# Altium PCB PCB1_3big.PcbDoc
Units mil, origin at the board's own origin, x right, y up, seen from the top; angles counter-clockwise.
Board outline 5905.51 x 5905.51 mil, 4 copper layers (Top Layer, GND, PWR, Bottom Layer), stack 53.912 mil thick; 59 components, 44 nets, 189 pads, 55 vias.
Unrouted connection lines stored in the file: 23.
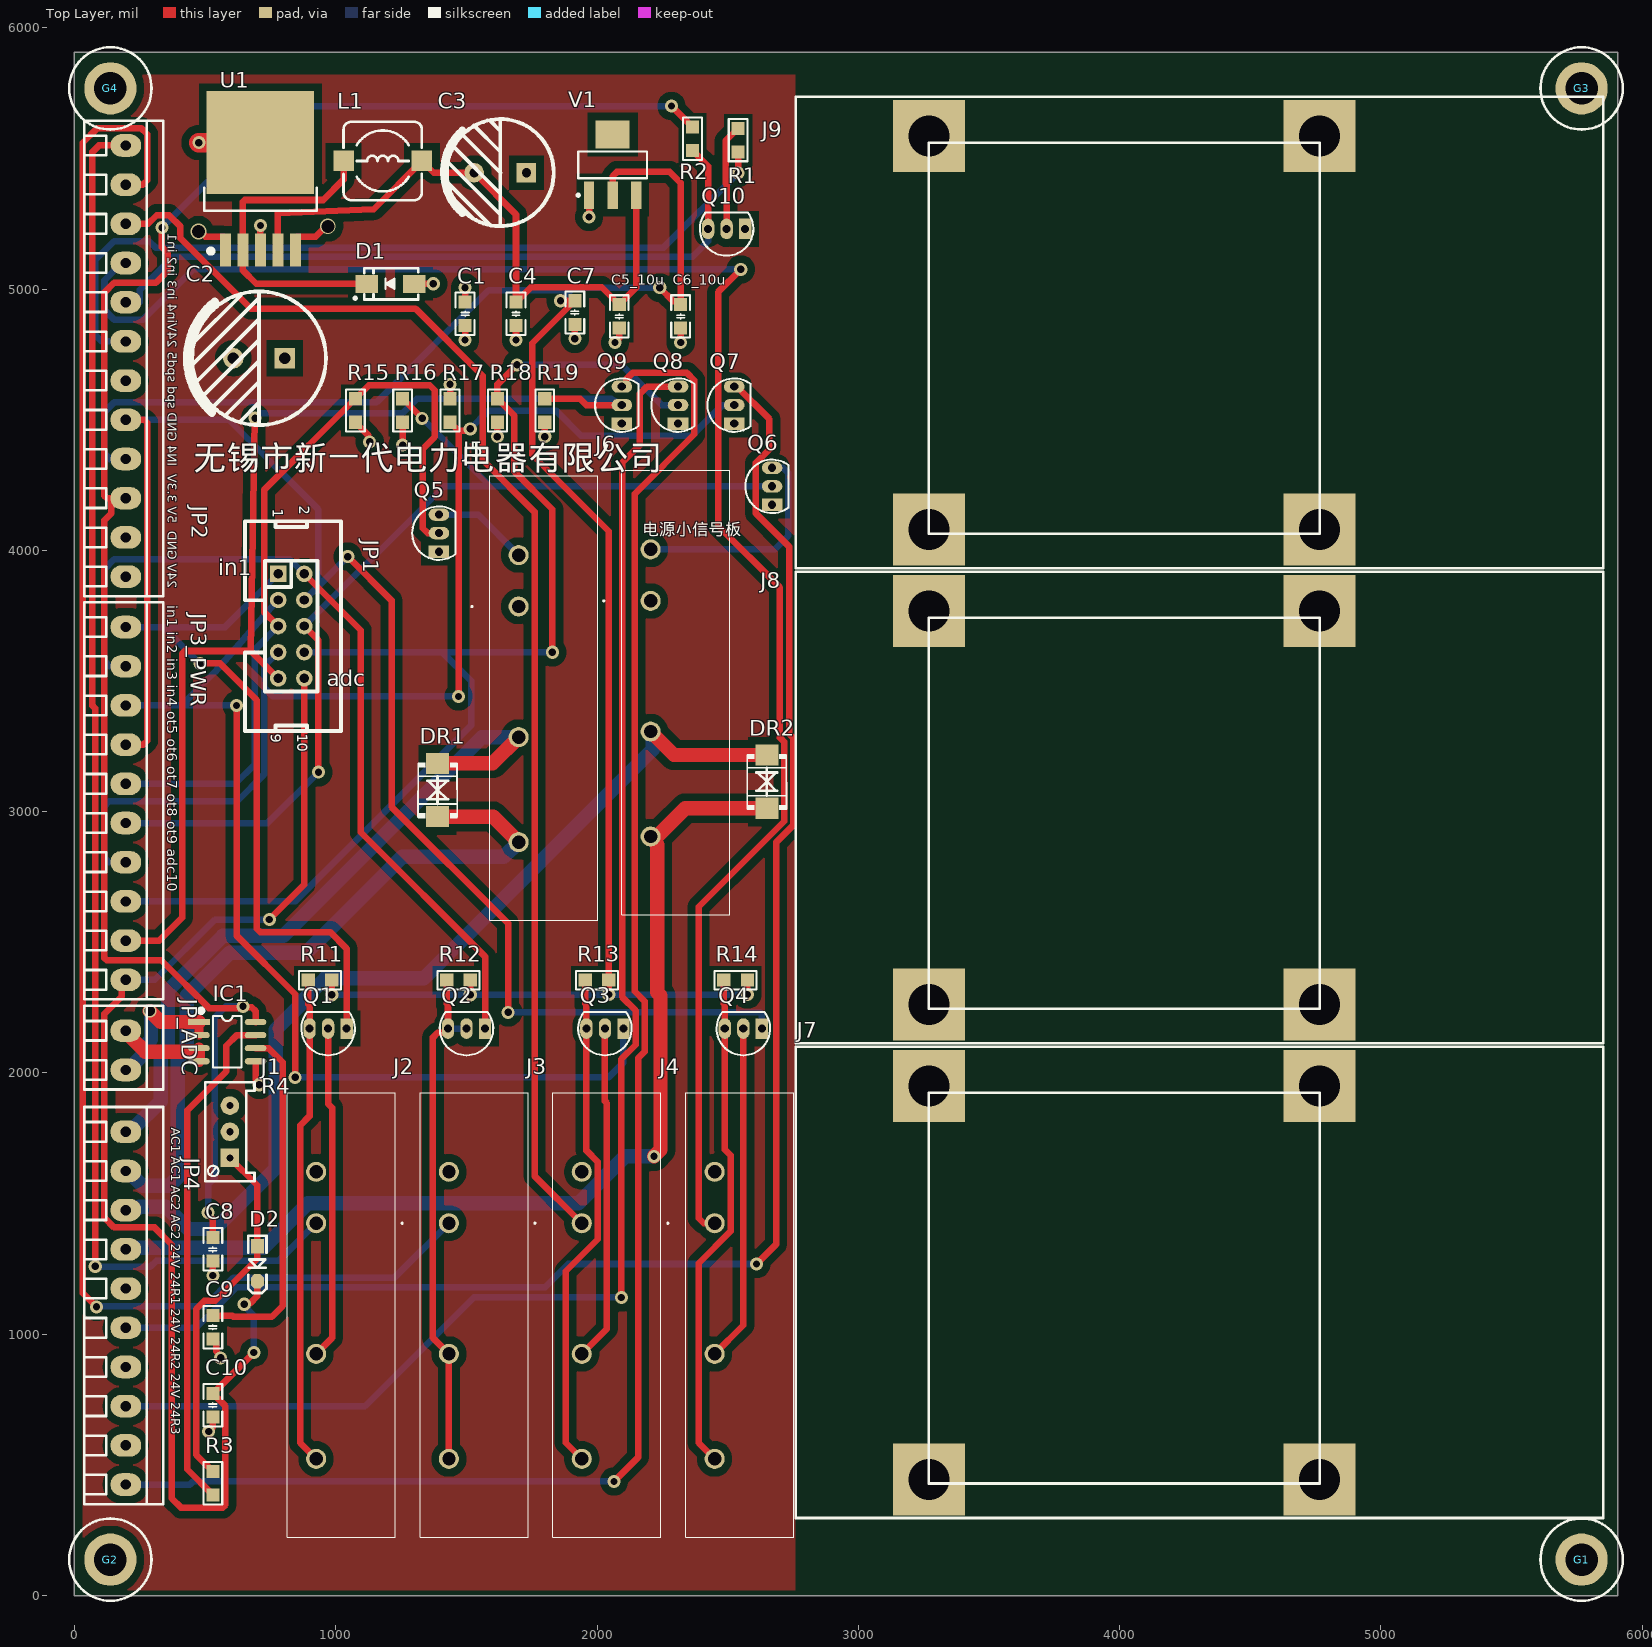
[diagram p0: Top Layer view]
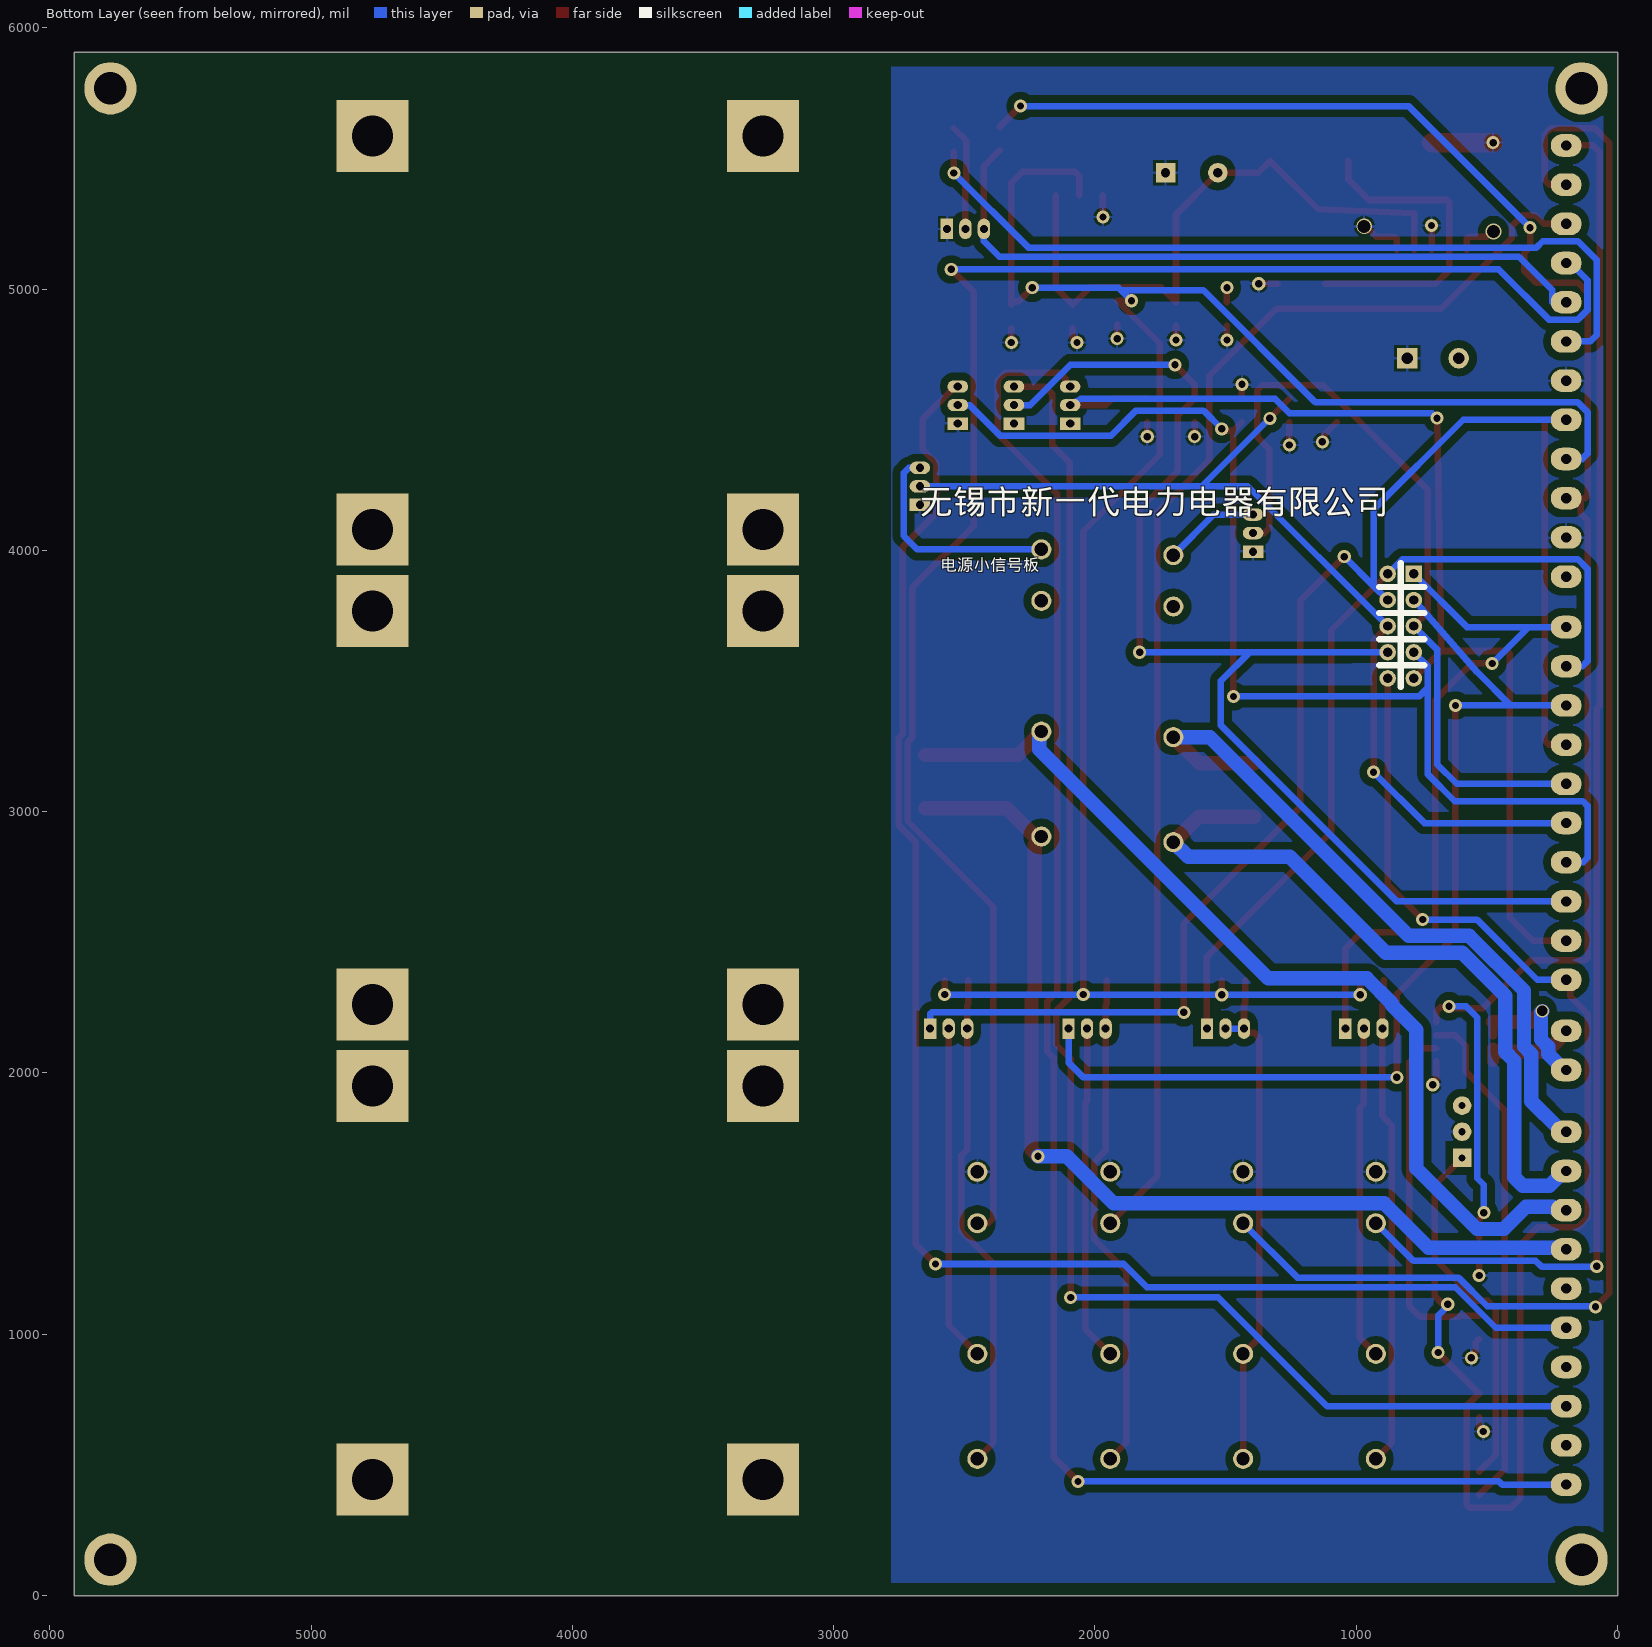
[diagram p1: Bottom Layer view, seen from below]
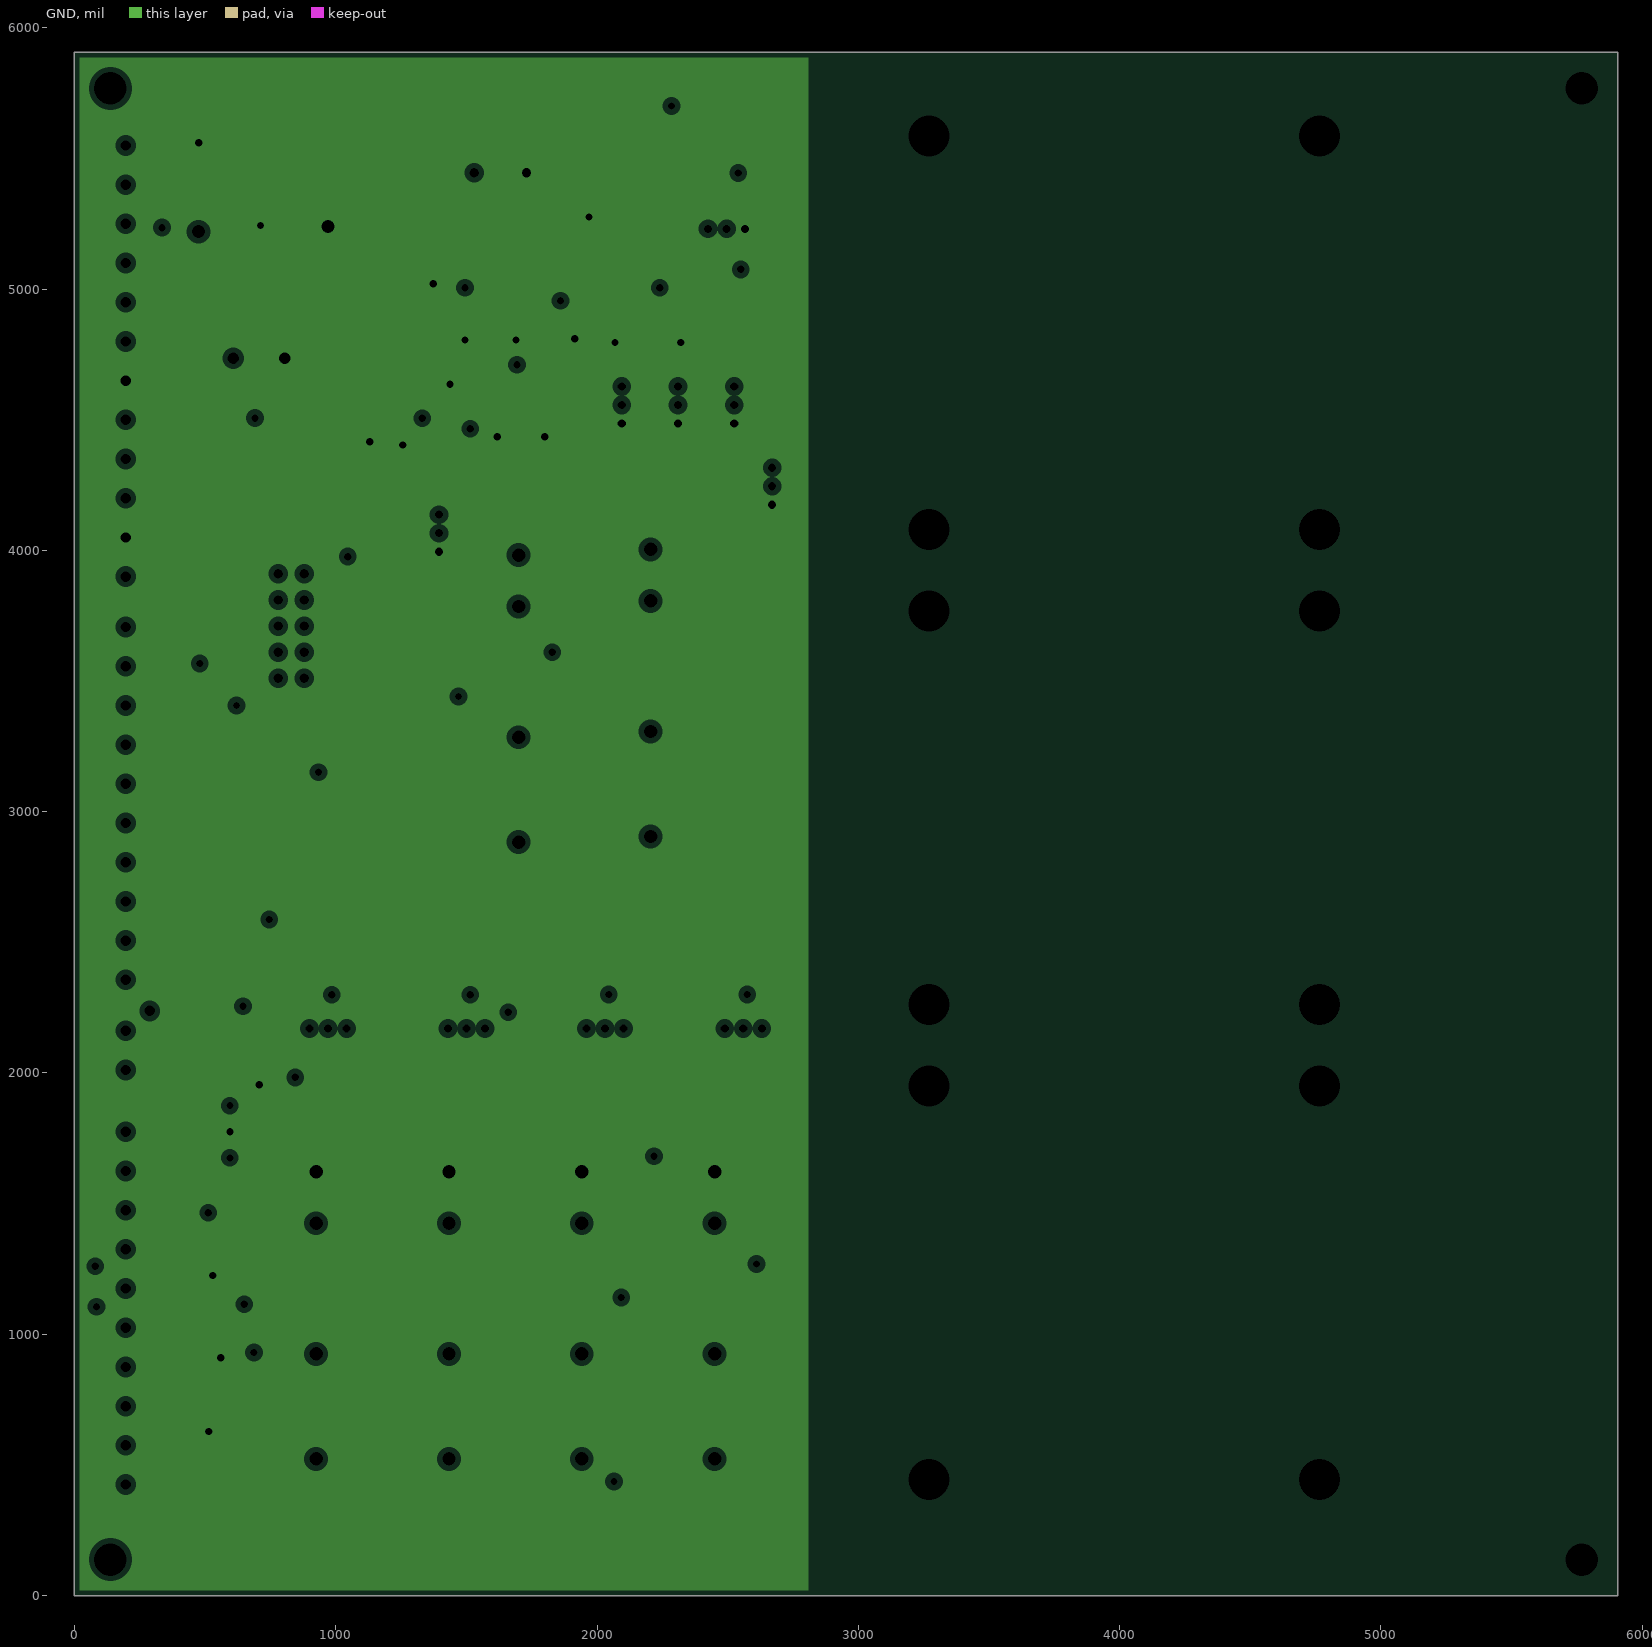
[diagram p2: GND, clearances drawn from the general rule]
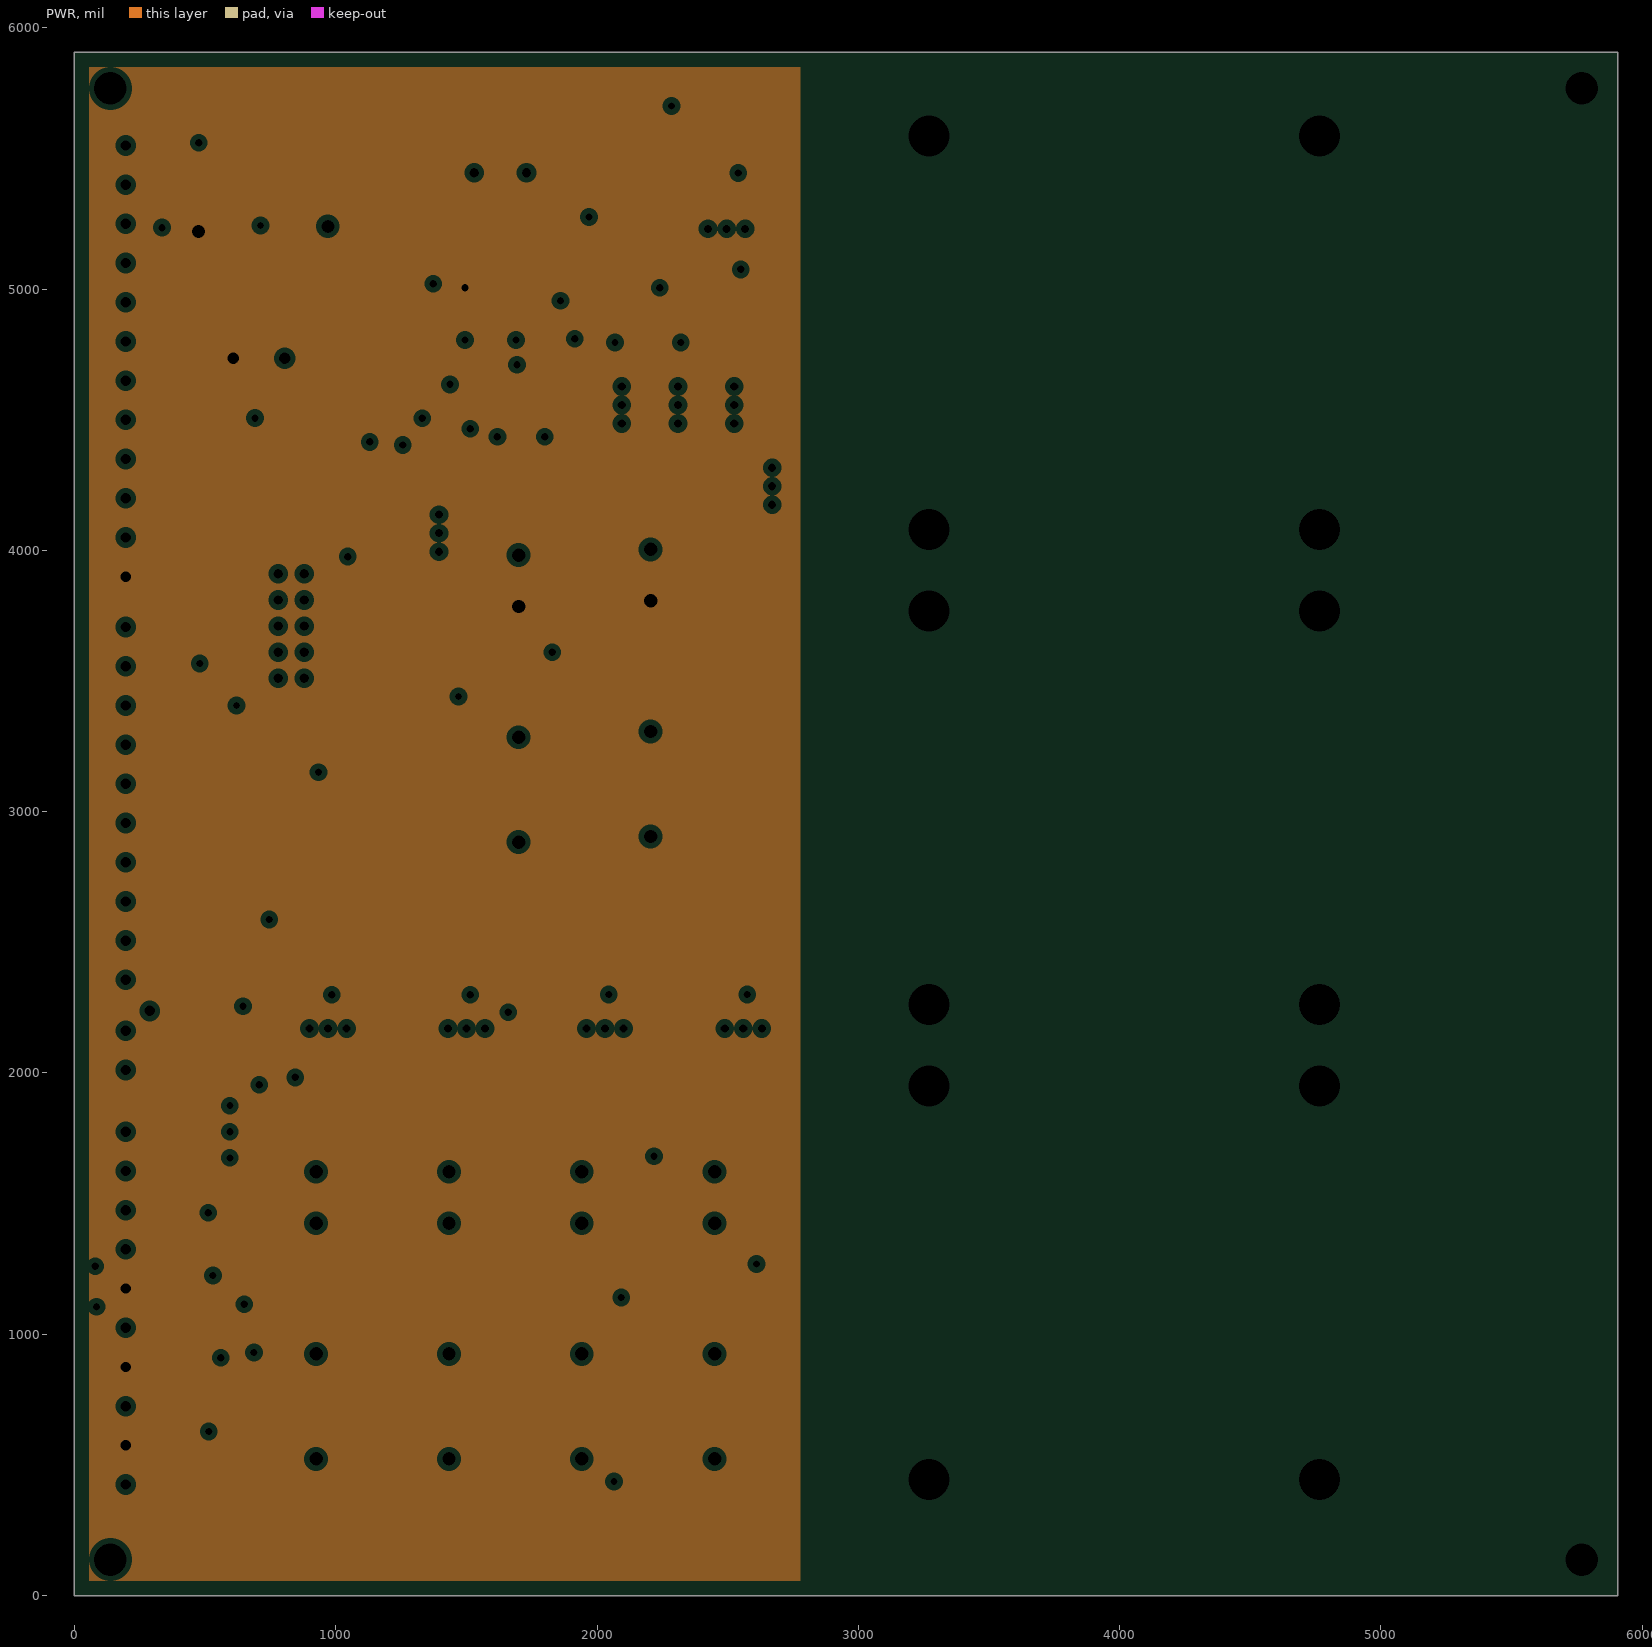
[diagram p3: PWR, clearances drawn from the general rule]

## Layer stack, top to bottom
Top Solder: solder mask 1, SM-001, Dk 4
Top Layer: signal copper 1.378
Dielectric 1: prepreg 5.1, PP-017, Dk 4.3
Dielectric 2: prepreg 5.1, PP-017, Dk 4.3
GND: plane copper 1.378, net GND
Dielectric 3: core 28, Core-039, Dk 4.8
PWR: plane copper 1.378, net 24V
Dielectric 4: prepreg 5.1, PP-017, Dk 4.3
Dielectric 5: prepreg 5.1, PP-017, Dk 4.3
Bottom Layer: signal copper 1.378
Bottom Solder: solder mask 1, SM-001, Dk 4

## Board outline
0,0 0,5905.51 5905.51,5905.51 5905.51,0

## Design rules (kind name [scope] priority, off if disabled: settings)
Clearance Clearance_Polygon [InPolygon] p1: gap=30 ignorepadtopadclearanceinfootprint=FALSE
Clearance [All] p2: gap=10 ignorepadtopadclearanceinfootprint=FALSE except(0: Arc-Hole Track-Hole SMDPad-Hole THPad-Hole Via-Hole Fill-Hole Poly-Hole Region-Hole Text-Hole)
Height [All] p1: minheight=0 maxheight=3149.61 prefheight=500
HoleSize [All] p1: absolutevalues=TRUE maxlimit=200 minlimit=1 maxpercent=80.000 minpercent=20.000
PlaneClearance [All] p1: clearance=20
PlaneConnect [All] p1: planeconnectstyle=Relief reliefexpansion=20 reliefentries=4 reliefconductorwidth=10 reliefairgap=10
PolygonConnect [All] p1: connectstyle=Relief reliefconductorwidth=10 reliefentries=4 polygonreliefangle="90 Angle" airgapwidth=10
RoutingVias [All] p1: holewidth=28 width=50 viastyle="Through Hole" minholewidth=28 minwidth=50 maxholewidth=28 maxwidth=50
SilkToSilkClearance [All] p1: silktosilkclearance=0
SilkToSolderMaskClearance [IsPad] p1: minsilkscreentomaskgap=0 clearancetoexposedcopper=TRUE
SolderMaskExpansion [All] p1: expansion=4 istentingtop=FALSE
Width [All] p1: maxlimit=999 minlimit=6 preferedwidth=25
24 further rules are at their usual default settings.

## Components (designator, comment, footprint, x,y, rotation, side; value= is the part's Value field where it differs from the comment)
C1 "0.1uF" "C 0805_M" 1495,4905 r90 top
C2 "680uf" "CAP 5.0*12.5*20" 706.58,4735 r180 top
C3 "220uF" "CAP 5.0*10*16" 1630,5445 r180 top
C4 "0.1uF" "C 0805_M" 1690,4905 r90 top
C5_10u "10uF" "C 0805_M" 2085,4895 r90 top (schematic designator C5)
C6_10u "10uF" "C 0805_M" 2320,4895 r90 top (schematic designator C6)
C7 "0.1uF" "C 0805_M" 1915,4910 r90 top
C8 "0.1uF" "C 0805_M" 530,1325 r90 top
C9 "1nF" "C 0805_M" 530,1026.67 r90 top
C10 "0.1uF" "C 0805_M" 530,728.33 r90 top
D1 "SS54" SMA 1209.45,5020 r180 top
D2 "Diode 1N4148" SOD-123 700,1270 r270 top
DR1 "1.5KE300CA" SMB_L4.6-W3.6-LS5.3-BI 1390,3082.98 r270 top
DR2 "1.5KE300CA" SMB_L4.6-W3.6-LS5.3-BI 2650,3115 r270 top
G1 "Socket" M3x6_L 5767.72,137.8 r0 top
G2 "Socket" M3x6_L 137.8,137.8 r0 top
G3 "Socket" M3x6_L 5767.72,5767.72 r0 top
G4 "Socket" M3x6_L 137.8,5767.72 r0 top
IC1 "ACS712" SOP8_M 585,2120 r0 top
J1 "ssr_dcdc" 2982647 925,1425 r90 top
J2 "ssr_dcdc" 2982647 1433.33,1425 r90 top
J3 "ssr_dcdc" 2982647 1941.67,1425 r90 top
J4 "ssr_dcdc" SSR_DCDC 2450,1425 r90 top
J5 "ssr_dcac" SSR_DCAC 1700,3785 r90 top
J6 "ssr_dcac" SSR_DCAC 2205,3806.58 r90 top
J7 "银触点JQX-60F60A大功率继电器大电流12V220V24V稳压器58F-40F63F" 24V_Big_Relay 2760,2100 r270 top
J8 "银触点JQX-60F60A大功率继电器大电流12V220V24V稳压器58F-40F63F" 24V_Big_Relay 2760,3917.5 r270 top
J9 "银触点JQX-60F60A大功率继电器大电流12V220V24V稳压器58F-40F63F" 24V_BIG_RELAY 2760,5735 r270 top
JP1 "Header 5X2" IDC2.54-LI-2x5P 780,3910 r270 top
JP2 "HDR-1X10" KF128-3.81-10P 196.85,3031.5 r270 top
JP3_PWR "HDR-1X12" KF128-3.81-12P 196.85,4724.41 r270 top
JP4 "HDR-1X10" KF128-3.81-10P 196.85,1100 r270 top
JP_ADC "HDR-1X2" KF128-3.81-2P 196.85,2086.61 r270 top
L1 "33uH" CDRH74 1180,5490 r0 top
Q1 "SS8050" TO92A 970.87,2170 r90 top
Q2 "SS8050" TO92A 1500.58,2170 r90 top
Q3 "SS8050" TO92A 2030.29,2170 r90 top
Q4 "SS8050" TO92A 2560,2170 r90 top
Q5 "SS8050" TO92A 1395,4065.87 r0 top
Q6 "SS8050" TO92A 2670,4245 r0 top
Q7 "SS8050" TO92A 2525,4555.87 r0 top
Q8 "SS8050" TO92A 2310,4555.87 r0 top
Q9 "SS8050" TO92A 2095,4555.87 r0 top
Q10 "SS8050" TO92A 2495.87,5230 r90 top
R1 "1K" "R 0805_M" 2540,5570 r90 top
R2 "2K" "R 0805_M" 2365,5575 r90 top
R3 "2K" "R 0805_M" 530,430 r90 top
R4 "3296W-10K" 3296W 595,1775 r90 top
R11 "10K" "R 0805_M" 940,2355 r180 top
R12 "10K" "R 0805_M" 1470,2355 r180 top
R13 "10K" "R 0805_M" 2000,2355 r180 top
R14 "10K" "R 0805_M" 2530,2355 r180 top
R15 "10K" "R 0805_M" 1075,4535 r270 top
R16 "10K" "R 0805_M" 1256.25,4535 r270 top
R17 "10K" "R 0805_M" 1437.5,4535 r90 top
R18 "10K" "R 0805_M" 1618.75,4535 r270 top
R19 "10K" "R 0805_M" 1800,4535 r270 top
U1 "LM2596S-5.0/NOPB" TO263-5A 711.93,5150 r0 top
V1 "AMS1117-3V3" SOT223_M 2060,5475 r90 top

## Footprints (in the part's own frame and the unit in brackets; to place one, negate y for a bottom-side part, rotate by r counter-clockwise, add the part's x,y. Pads: shape width x height; smd on the part's side, far side on the other; paste and mask are expansions set on the pad)
24V_Big_Relay [mm]
  rect 7x7 hole 4: 0(3.81,50.927) 0(3.81,12.954) 0(42.037,50.927) 0(42.037,12.954)
  silkscreen extent 0,0 45.8,78.5, body extent -0.13,-0.13 45.93,78.63, height 46
24V_BIG_RELAY [mm]
  rect 7x7 hole 4: 0(3.81,50.927) 0(3.81,12.954) 0(42.037,50.927) 0(42.037,12.954)
  silkscreen extent 0,0 45.8,78.5, body extent 7.48,1.27 38.35,76.71, height 46
3296W [mm] "Precise Multi-Winding Adjustable Resistor"
  rect 1.8x1.8 hole 0.7: 1(-2.54,0)
  round 1.8 hole 0.7: 2(0,0) 3(2.54,0)
  silkscreen extent -4.8,-2.4 4.8,2.4, body extent -4.75,-2.4 4.75,2.4, height 11.52
2982647 [mm]
  round 1.95 hole 1.3: 1(-22.9,0) 2(-12.7,0) 3(0,0) 4(5,0)
  silkscreen extent -30.5,-7.7 12.7,4.6, body extent -30.5,-7.7 12.7,2.8, height 25.5
"C 0805_M" [mil] "无极性贴片电容"
  rect 50x50 smd: 1(-45,0) 2(45,0)
  silkscreen extent -81,-36 81,36, body extent -39,-24 39,24, height 20
"CAP 5.0*10*16" [mm] "脚距5mm直径10mm高度16mm"
  rect 1.9x1.9 hole 0.9: 1(-2.54,0)
  round 1.9 hole 0.9: 2(2.54,0)
  silkscreen extent -5.19,-5.21 5.5,5.19, body extent -5,-5 5.01,5, height 16.04
"CAP 5.0*12.5*20" [mm] "脚距5mm直径12.5mm高度20mm"
  rect 2x2 hole 1.1: 1(-2.5,0)
  round 2 hole 1.1: 2(2.5,0)
  silkscreen extent -6.5,-6.5 6.99,6.5, body extent -6.25,-6.25 6.26,6.25, height 20.03
CDRH74 [mm] "7.3*7.3*4.5mm（长宽高）"
  rect 2x2 smd: 1(-3.81,0) 2(3.81,0)
  silkscreen extent -3.81,-3.81 3.81,3.81, body extent -3.65,-3.65 3.65,3.65, height 4.5
IDC2.54-LI-2x5P [mm] "10P简易牛角座"
  rect 1.6x1.6 hole 0.9: 1(0,0)
  round 1.6 hole 0.9: 2(0,2.54) 3(2.54,0) 4(2.54,2.54) 5(5.08,0) 6(5.08,2.54) 7(7.62,0) 8(7.62,2.54) 9(10.16,0) 10(10.16,2.54)
  silkscreen extent -5.11,-3.23 15.27,6.1, body extent -5.08,-3.08 15.24,5.77, height 9.17
KF128-3.81-2P [mm] "螺钉式接线端子，脚距3.81mm"
  oval 2.2x3 hole 1: 1(-1.905,0) 2(1.905,0)
  silkscreen extent -4.32,-4.04 3.81,3.63, body extent -4.31,-3.9 3.81,3.5, height 8.55
KF128-3.81-10P [mm] "螺钉式接线端子，脚距3.81mm"
  oval 2.2x3 hole 1: 1(-17.145,0) 2(-13.335,0) 3(-9.525,0) 4(-5.715,0) 5(-1.905,0) 6(1.905,0) 7(5.715,0) 8(9.525,0) 9(13.335,0) 10(17.145,0)
  silkscreen extent -19.56,-4.04 19.05,3.63, body extent -19.55,-3.9 19.05,3.5, height 8.55
KF128-3.81-12P [mm] "螺钉式接线端子，脚距3.81mm"
  oval 2.2x3 hole 1: 1(-20.955,0) 2(-17.145,0) 3(-13.335,0) 4(-9.525,0) 5(-5.715,0) 6(-1.905,0) 7(1.905,0) 8(5.715,0) 9(9.525,0) 10(13.335,0) 11(17.145,0) 12(20.955,0)
  silkscreen extent -23.37,-4.04 22.86,3.63, body extent -23.36,-3.9 22.86,3.5, height 8.55
M3x6_L [mil] "M3铜柱，长：6mm"
  round 200 hole 125: 1(0,0)
  silkscreen extent -157,-157 157,157, body extent -106,-93 106,93, height 238
"R 0805_M" [mil] "1/8W贴片电阻"
  rect 50x50 smd: 1(-45,0) 2(45,0)
  silkscreen extent -81,-36 81,36, body extent -39,-25 39,25, height 20
SMA [mm] "4.5x2.6*2.2mm（长宽高，不包括引脚）"
  rect 2.2x1.75 smd: 1(-2.3,0) 2(2.3,0)
  silkscreen extent -2.7,-1.52 3.56,1.52, body extent -2.53,-1.3 2.58,1.3, height 2.15
SMB_L4.6-W3.6-LS5.3-BI [mil]
  rect 80.61x88.23 smd: 1(-102.02,0) 2(102.02,0)
  silkscreen extent -105,-75 108,75
SOD-123 [mil] "2.7x1.6X1.1mm（长宽高，不包括引脚）"
  rect 55x50 smd: 1(-67.5,0)
  oct 55x50 smd: 2(67.5,0)
  silkscreen extent -107,-35 112,35, body extent -73,-31 73,31, height 48
SOP8_M [mm] "5*6*1.8mm（长宽高）"
  rect 2.1x0.6 smd: 1(-2.75,1.905)
  oval 2.1x0.6 smd: 2(-2.75,0.635) 3(-2.75,-0.635) 4(-2.75,-1.905) 5(2.75,-1.905) 6(2.75,-0.635) 7(2.75,0.635) 8(2.75,1.905)
  silkscreen extent -2.69,-2.5 1.4,3.15, body extent -3,-2.5 3,2.5, height 1.9
SOT223_M [mm] "SOT223, 4-Leads, Body 6.5x3.5mm, Pitch 2.3mm, Lead Span 7mm, IPC Low Density"
  rect 2.7x1 smd: 1(-2.95,2.3) 2(-2.95,0) 3(-2.95,-2.3)
  rect 2.7x3.3 smd: 4(2.95,0)
  silkscreen extent -3.07,-3.35 1.3,3.47, body extent -1.85,-3.35 1.85,3.35, height 1.7
SSR_DCAC [mm]
  round 1.95 hole 1.3: 1(-22.9,0) 2(-12.7,0) 3(0,0) 4(5,0)
  silkscreen extent -30.5,-7.7 12.7,4.6, body extent -30.5,-7.7 12.7,2.8, height 25.5
SSR_DCDC [mm]
  round 1.95 hole 1.3: 1(-22.9,0) 2(-12.7,0) 3(0,0) 4(5,0)
  silkscreen extent -30.5,-7.7 12.7,4.6, body extent -30.5,-7.7 12.7,2.8, height 25.5
TO92A [mm] "92晶体管"
  rect 2x1.2 hole 0.8: 1(0,-1.8)
  oval 2x1.2 hole 0.8: 2(0,0) 3(0,1.8)
  silkscreen extent -2.6,-2.6 1.6,2.6, body extent -2.3,-2.3 1.3,2.3, height 7.6
TO263-5A [mm] "263，5脚晶体管"
  rect 1.05x3.2 smd: 1(-3.4,0) 2(-1.7,0) 3(0,0) 4(1.7,0) 5(3.4,0)
  rect 10.45x10 smd: 3(0,10.414)
  silkscreen extent -5.46,-0.33 5.46,6.04, body extent -5,-0.01 5,13.32, height 4.5

## Part data
C1 C4 C5_10u C6_10u C7: library part CAP-SMT
C2 C3: library part CAP-SMD, "CAP-SMD", Supplier 1="Arrow Electronics"
C8 C9 C10: library part Cap, "Capacitor", LatestRevisionDate=17-Jul-2002, LatestRevisionNote="Re-released for DXP Platform.", PackageDescription="Radial Cap, Thru-Hole; 2 Leads; 0.3 in Pin Spacing", PackageReference=RAD-0.3, Published=8-Jun-2000, Publisher="Altium Limited"
D1: library part DIO
D2: "High Conductance Fast Diode", Code_JEDEC=DO-204-AH, ComponentLink1Description="Manufacturer Link", ComponentLink1URL=http://www.fairchildsemi.com/, ComponentLink2Description=Datasheet, ComponentLink2URL=http://www.fairchildsemi.com/ds/1N%2F1N4148.pdf, DatasheetVersion=1997, LatestRevisionDate=17-Jul-2002, LatestRevisionNote="Re-released for DXP Platform.", PackageDescription="Diode, Axial; Body 3.8 x 1.9 mm (LxDia. max), Lead Dia. 0.53 mm (max)", PackageReference=DO-35, Published=8-Jun-2000, Publisher="Altium Limited"
DR1 DR2: library part DR, "瞬态电压抑制二极管", BOM名称=瞬态电压抑制二极管, 学习资源=www.ooocke.com, 版权归属=源创客
IC1: "电流检测芯片", BOM名称=电流检测芯片, 学习资源=www.ooocke.com, 版权归属=源创客
J1 J2 J3 J4 J5 J6: "Connector", Arrow Part Number=2982647, Manufacturer_Name="Phoenix Contact", Mouser Part Number=651-2982647, Arrow Price/Stock=https://www.arrow.com/en/products/2982647/phoenix-contact, Datasheet Link=https://componentsearchengine.com/Datasheets/1/2982647.pdf, Height=25.4mm, Manufacturer_Part_Number=2982647, Mouser Price/Stock=https://www.mouser.co.uk/ProductDetail/Phoenix-Contact/2982647?qs=Mj9TL1%2FHg907%2FKjSTtcRdw%3D%3D
JP1: "5*2P接插件", BOM名称=5*2P接插件, 学习资源=www.ooocke.com, 版权归属=源创客
JP2 JP4: library part "Header 10", "10P接插件", BOM名称=10P接插件, 学习资源=www.ooocke.com, 版权归属=源创客
JP3_PWR: library part "Header 12", "12P接插件", BOM名称=12P接插件, 学习资源=www.ooocke.com, 版权归属=源创客
JP_ADC: library part "Header 2", "2P接插件", BOM名称=2P接插件, 学习资源=www.ooocke.com, 版权归属=源创客
L1: library part L-CDRH74
Q1 Q2 Q3 Q4 Q5 Q6 Q7 Q8 Q9 Q10: library part 8050-DIP, "高频放大-NPN型", BOM名称=高频放大-NPN型, 学习资源=www.ooocke.com, 属性="40V 1.5A 1W 100MHZ", 版权归属=源创客
R1 R2 R3 R11 R12 R13 R14 R15 R16 R17 R18 R19: library part Res1, "Resistor", LatestRevisionDate=17-Jul-2002, LatestRevisionNote="Re-released for DXP Platform.", PackageDescription="Axial Device, Thru-Hole; 2 Leads; 0.3 in Pin Spacing", PackageReference=AXIAL-0.3, Published=8-Jun-2000, Publisher="Altium Limited"
R4: library part 3296W-1-100LF, "Resistor", Manufacturer_Name=Bourns, Mouser Part Number=652-3296W-1-100LF, Arrow Part Number=3296W-1-100LF, Arrow Price/Stock=https://www.arrow.com/en/products/3296w-1-100lf/bourns, Datasheet Link=http://uk.rs-online.com/web/p/products/5219619, Manufacturer_Part_Number=3296W-1-100LF, Mouser Price/Stock=https://www.mouser.co.uk/ProductDetail/Bourns/3296W-1-100LF?qs=QXsCy0sQn1AEVjRqsT9BNA%3D%3D
U1: library part LM2596S-5.0, "SIMPLE SWITCHER® Power Converter 150 KHz 3A Step-Down Voltage Regulator, 5-pin TO-263, Pb-Free", Manufacturer="Texas Instruments", PackageTopMarking="NSUZXYTTE#*LM2596S*-5.0 P+", PowerWise=N, Code_JEDEC=MO-169-AB, ComponentLink1Description="Datasheet URL", ComponentLink1URL=http://www.ti.com/general/docs/lit/getliterature.tsp?genericPartNumber=LM2596&fileType=pdf, CompType=Switcher, PackageDescription="TO-263, Molded, .400 x .390 x .180in, 5 Lead, .067in Pitch, Surface Mount", PackageReference=KTT0005B, PinCount=5, RoHS=Y
V1: library part AMS1117, "三端稳压芯片", BOM名称=稳压芯片, 学习资源=www.ooocke.com, 版权归属=源创客
G1 G2 G3 G4: LatestRevisionDate=17-Jul-2002, LatestRevisionNote="Re-released for DXP Platform.", Publisher="Altium Limited"
J7 J8 J9: Contributor=locolyl, spicePre=U, spiceSymbolName=银触点JQX-60F60A大功率继电器大电流12V220V24V稳压器58F-40F63F

## Via types
v1: diameter 50, hole 28, Top Layer to Bottom Layer, 52 vias
v2: diameter 60, hole 50, Top Layer to Bottom Layer, 2 vias
v3: diameter 50, hole 40, Top Layer to Bottom Layer, 1 vias

## Nets (pads, with @x,y where several pads share a name; then routed paths per layer and width w, separated by ;. In a path a pad name is that pad's centre, name@x,y a point inside that pad or via, vN(x,y) a via of type N, cw(c..) or ccw(c..) an arc to the next point about the centre after c; other vN are vias at no path point)
3.3V: C6_10u.2 C7.2 JP3_PWR.9 R11.1 R12.1 R13.1 R14.1 V1.2 | length 8213.2
  Top Layer w25: v1(985,2299.31) R11.1 ; v1(1515,2299.31) R12.1 ; v1(1860,4955) C7.2 1752,4792 1752,4366 2045,4073 R13.1 v1(2045,2300.01) ; V1.2 2060,5432 2076,5448.01 2278,5448.01 2320,5406 C6_10u.2 2307.5,4952.5 2292.5,4952.5 v1(2240,5005) ; v1(2575,2300.01) R14.1
  Bottom Layer w25: JP3_PWR.9 136,4349.41 115,4370.41 115,4529 152,4566 1156,4566 1585,4995 1900,4995 ; v1(985,2299.31) v1(1515,2299.31) ; v1@1515,2300.01 v1(2045,2300.01) v1(2575,2300.01) ; v1(1860,4955) 1900,4995 ; v1(2240,5005) 1910,5005 1900,4995
5V: C8.2 IC1.8 JP3_PWR.10 R2.2 | length 7035.3
  Top Layer w25: JP3_PWR.10 JP3_PWR.10@142,4199.41 ; v1(335,5235) 335,5160.62 358,5137.62 358,5070 312,5024 152,5024 115,4987 115,4208 123.59,4199.41 JP3_PWR.10@142,4199.41 ; v1(512.1,1465.3) 512.1,1458.54 530,1440.64 C8.2 ; v1@645,2248.27 514.73,2248.27 331.99,2431 124,2431 115,2440 115,4115 142,4142 JP3_PWR.10@142,4199.41 ; v1(645,2255) 648.42,2251.58 678.62,2251.58 693.27,2236.94 IC1.8 ; v1(2285,5700) R2.2
  Bottom Layer w25: v1(335,5235) 800,5700 v1(2285,5700) ; v1(512.1,1465.3) 512.1,1572.39 537.07,1597.35 537.07,2212.07 580,2255 v1(645,2255)
24V: C1.2 C2.2 J5.3 J6.3 JP3_PWR.12 JP4.5 JP4.7 JP4.9 U1.1 | length 211.9
  Top Layer w25: v2(475,5220) 481.76,5220 501.27,5200.49 569.9,5200.49 578.07,5192.32 U1.1 ; C1.2 v1(1495,5005)
24V_in1: J1.3 JP3_PWR.1 | length 5321.3
  Top Layer w25: v1(80,1260) 80,3395.09 69,3406.09 69,5524.41 94,5549.41 JP3_PWR.1
  Bottom Layer w25: v1(80,1260) 81,1259 291,1259 313,1281 781,1281 J1.3
24V_in2: J2.3 JP3_PWR.2 | length 6503
  Top Layer w25: v1(85,1105) 32,1158 32,5560 88,5616 255,5616 279,5592 279,5416 262.4,5399.41 JP3_PWR.2
  Bottom Layer w25: v1(85,1105) 87,1107 499,1107 609,1217 1225.34,1217 J2.3
24V_in3: J3.3 JP3_PWR.3 | length 5059.9
  Top Layer w25: JP3_PWR.3 282.23,5249.41 315.32,5282.5 362.38,5282.5 405.67,5239.22 405.67,5194.33 675,4925 1305,4925 1562.5,4667.5 1562.5,4345.5 1761,4147 1761,1605.67 J3.3
24V_in4: J4.3 JP3_PWR.4 | length 6728.8
  Top Layer w25: J4.3 2408,1425 2389,1444 2389,2635.74 2716.61,2963.36 2716.61,3266.64 2700,3283.26 2700,3857.37 2463.13,4094.24 2463.13,4988.13 v1(2550,5075)
  Bottom Layer w25: JP3_PWR.4 181,5099.41 115.3,5033.71 115.3,4919.71 152,4883 263,4883 454.99,5075 v1(2550,5075)
24Vrelay1: JP4.6 Q7.3 | length 6073.1
  Top Layer w25: Q7.3 2535.11,4626.73 2659.64,4502.2 2659.64,4386.48 2608.13,4334.97 2608.13,4141.19 2735,4014.32 2735,3297.75 2751.61,3281.14 2751.61,2948.86 2685,2882.25 2685,1344.01 v1(2610,1269)
  Bottom Layer w25: JP4.6 466.49,1025 621.5,1180 1801,1180 1890,1269 v1(2610,1269)
24Vrelay2: JP4.8 Q8.3 | length 5756.4
  Top Layer w25: v1(2093,1141) 2093,2053 2148,2108 2148,2239 2096,2291 2096,4335 2164,4403 2164,4599 2191.73,4626.73 Q8.3
  Bottom Layer w25: JP4.8 1111.99,725 1528,1141 v1(2093,1141)
24Vrelay3: JP4.10 Q9.3 | length 6572.8
  Top Layer w25: v1(2065,437) 2157,529 2157,2056 2183,2082 2183,2274 2144,2313 2144,4216 2372,4444 2372,4651 2344,4679 2136,4679 2111,4654 2111,4626.73 Q9.3
  Bottom Layer w25: JP4.10 442,425 454,437 v1(2065,437)
AC_out1: DR1.1 J5.2 JP4.1 | length 2711.1
  Top Layer w55: DR1.1 1600,3185 J5.2
  Bottom Layer w55: JP4.1 207.18,1785.33 222.93,1785.33 330,1892.4 330,2072.81 358.41,2101.22 358.41,2215.33 358.41,2315.33 567.58,2524.5 667.58,2524.5 799.5,2524.5 1559.99,3285 J5.2
AC_out1x: DR1.2 J5.1 JP4.2 | length 2807.7
  Top Layer w55: DR1.2 1602.46,2980.96 J5.1
  Bottom Layer w55: JP4.2 204.23,1625 260.63,1568.6 362.78,1568.6 395,1600.82 395,2045.89 430,2080.89 430,2295 594.5,2459.5 886.8,2459.5 1254.33,2827.02 1643.6,2827.02 J5.1
AC_out2: DR2.1 J6.2 JP4.3 | length 3686.4
  Top Layer w55: J6.2 2294.56,3217.02 DR2.1
  Bottom Layer w55: JP4.3 202.9,1481.05 241,1481.05 248.6,1488.65 350.37,1488.65 436.22,1402.8 537.99,1402.8 770,1634.81 770,2165.92 864.55,2260.48 864.55,2267.26 959.11,2361.81 1336.81,2361.81 2212.81,3237.81 2212.81,3283.37 2209.17,3287.02 2209.17,3302.41 J6.2
AC_out2x: DR2.2 J6.1 JP4.4 | length 3908.5
  Top Layer w55: v1(2218,1681) 2243.12,1706.13 2243.12,2296.01 2230.13,2309 2230.13,2873.98 2205,2899.11 J6.1 2209.17,2909.17 2234.29,2909.17 2338.11,3012.98 DR2.2
  Bottom Layer w55: JP4.4 202.86,1331 723.69,1331 893.57,1500.89 1928.02,1500.89 2108.14,1681 v1(2218,1681)
GND: C1.1 C2.1 C3.1 C4.1 C5_10u.1 C6_10u.1 C7.1 C8.1 C9.1 C10.1 D1.1 IC1.5 J1.4 J2.4 J3.4 J4.4 JP3_PWR.7 JP3_PWR.11 Q5.1 Q6.1 Q7.1 Q8.1 Q9.1 Q10.1 R4.2 R15.2 R16.2 R17.2 R18.2 R19.2 U1.3 U1.5 V1.1 | length 1599.5
  Top Layer w25: v1(514,628.33) 530,644.33 C10.1 ; C9.1 542.5,969.17 542.5,934.26 560,916.76 v1(560,910) ; v1(530,1225) C8.1 ; IC1.5 693.27,1976 707.5,1961.76 v1(707.5,1955) ; U1.3@711.93,5150 v1(711.93,5242.99) ; U1.5 845.79,5192.32 853.96,5200.49 923.73,5200.49 963.24,5240 v2(970,5240) ; R15.2 1125.22,4439.79 1125.22,4419.78 v1(1130,4415) ; v1(1256.25,4403) R16.2 ; D1.1 v1(1373.31,5020) ; R17.2 v1(1437.5,4635) ; v1(1495,4805) C1.1 ; v1(1618.75,4435) R18.2 ; v1(1690,4805) C4.1 ; v1(1800,4435) R19.2 ; v1(1915,4810) C7.1 ; v1(1969.45,5275.71) V1.1 ; v1(2069,4795) 2085,4811 C5_10u.1 ; v1(2320,4795) C6_10u.1
  Top Layer w75: v1(476.22,5560) U1.3@711.93,5560
GPIO_adc10: C10.2 D2.2 JP1.10 JP2.10 | length 5059.6
  Top Layer w25: JP2.10 181,2356.5 181,2293 115,2227 115,1446 152,1409 307,1409 373,1343 373,372 408,337 568,337 578,347 578,725.34 C10.2 v1(687,930.33) ; v1(650,1115) 654.78,1119.78 673.59,1119.78 700,1146.19 D2.2 ; v1(746,2587) 880,2721.01 JP1.10
  Bottom Layer w25: JP2.10 307.98,2356.5 538.49,2587 v1(746,2587) ; v1(650,1115) 650,1108.24 687,1071.24 v1(687,930.33)
GPIO_in1: JP1.1 JP2.1 Q1.1 | length 2696.9
  Top Layer w25: v1(480,3567) 558,3567 698,3427 698,2552 711,2539 978.73,2539 1041.73,2476 Q1.1
  Bottom Layer w25: JP2.1 340.51,3706.5 ; v1(480,3567) 340.51,3706.5 ; JP1.1 576.5,3706.5 340.51,3706.5
GPIO_in2: JP1.2 JP2.2 Q2.1 | length 3272.9
  Top Layer w25: JP1.2 1096,3694 1096,2921 1571.44,2445.56 Q2.1
  Bottom Layer w25: JP2.2 134.51,3556.5 115,3576 115,3929 152,3966 824,3966 JP1.2
GPIO_in3: JP1.3 JP2.3 Q3.1 | length 3897.7
  Top Layer w25: v1(620.51,3406.5) 620.51,2525.98 845,2301.49 v1(845,1983.16)
  Bottom Layer w25: JP2.3 409.49,3406.5 ; v1(620.51,3406.5) 409.49,3406.5 ; JP1.3 537.16,3534.17 409.49,3406.5 ; v1(845,1983.16) 2044.31,1983.16 2101.15,2040 Q3.1
GPIO_in4: JP1.4 JP2.4 JP3_PWR.8 Q4.1 | length 5825.6
  Top Layer w25: JP2.4 264,3256.5 279,3271.5 279,4488 267.59,4499.41 JP3_PWR.8 ; v1(1046,3976) 1214,3808.01 1214,3018 1660,2572 v1(1660,2232)
  Bottom Layer w25: JP3_PWR.8 590.59,4499.41 934,4156 934,3864 ; JP1.4 934,3864 ; v1(1046,3976) 934,3864 ; v1(1660,2232) 2624.87,2232 2630.87,2226 Q4.1
GPIO_ot5: JP1.5 JP2.5 Q5.2 R15.1 | length 3077.8
  Top Layer w25: JP1.5 726,3764 726,4231 R15.1 1127.01,4632 1360,4632 1379,4613 1379,4434 1333,4388 1333,4084.87 1352,4065.87 Q5.2
  Bottom Layer w25: JP2.5 615.74,3106.5 691,3181.76 691,3621 JP1.5
GPIO_ot6: JP1.6 JP2.6 Q6.2 R16.1 | length 3884.4
  Top Layer w25: JP1.6 934,3656 v1(934,3151) ; R16.1 v1(1331,4505.25)
  Bottom Layer w25: JP2.6 739.49,2956.5 v1(934,3151) ; JP1.6 1415,4245 1591.25,4245 ; v1(1331,4505.25) 1591.25,4245 ; Q6.2 1591.25,4245
GPIO_ot7: JP1.7 JP2.7 Q7.2 R17.1 | length 4434.5
  Top Layer w25: R17.1 1470,4457.5 ; v1(1470,3441) 1470,4457.5 ; v1(1515,4465) 1508.24,4465 1500.74,4457.5 1470,4457.5
  Bottom Layer w25: JP2.7 132.51,2806.5 115,2824 115,3022 133,3040 623.49,3040 726,3142.52 726,3475 ; JP1.7 726,3556 726,3475 ; v1(1470,3441) 760,3441 726,3475 ; v1(1515,4465) 1585,4535 1843,4535 1940,4438 2362,4438 2479.86,4555.87 Q7.2
GPIO_ot8: JP1.8 JP2.8 Q8.2 R18.1 | length 5165.7
  Top Layer w25: v1(1694,4710) 1618.75,4634.76 R18.1 1684,4514.75 1684,4302 1829,4157 v1(1829,3610)
  Bottom Layer w25: JP2.8 844.49,2656.5 1518,3330 1518,3501 1409,3609 1015,3610 ; JP1.8 1015,3610 ; v1(1694,4710) 2093.86,4710 2248,4555.87 Q8.2 ; v1(1829,3610) 1015,3610
GPIO_ot9: JP1.9 JP2.9 Q9.2 R19.1 | length 4315
  Top Layer w25: JP2.9 324.49,2506.5 412,2594 412,3604.07 422.64,3614.71 675.29,3614.71 ; v1(691,4506) 675.29,3614.71 ; JP1.9 675.29,3614.71 ; R19.1 1935,4580 1959.13,4555.87 Q9.2
  Bottom Layer w25: v1(691,4506) 710,4525 1256,4525 1311,4580 2054.86,4580 Q9.2
NetC3_2: C3.2 C4.2 C5_10u.2 L1.2 U1.4 V1.3 | length 2440
  Top Layer w25: U1.4 778.86,5289.86 1145.65,5305.65 L1.2 1375,5445 C3.2 1690,5285 C4.2 1747,5007 2018,5007 C5_10u.2 2150.55,5005.55 V1.3
NetC9_2: C9.2 IC1.6 | length 1344.4
  Top Layer w25: C9.2 604,1071.67 608.17,1067.5 755.83,1067.5 797,1108.67 797,2041.34 743.34,2095 IC1.6
NetD1_2: D1.2 L1.1 U1.2 | length 1248.9
  Top Layer w25: L1.1 1030,5418.65 952,5340.65 652.65,5340.65 645,5333 U1.2 645,5071 696,5020 D1.2
NetD2_1: D2.1 R3.2 R4.1 | length 1390.5
  Top Layer w25: R3.2 466.5,538.5 466.5,1096.51 498,1128 539,1128 700,1289 D2.1 700,1570 R4.1
NetIC1_1: IC1.1 IC1.2 JP_ADC.2 | length 527.7
  Top Layer w35: IC1.2 IC1.1
  Top Layer w55: v3(288.54,2237.39) 330.93,2195 IC1.1
  Bottom Layer w55: JP_ADC.2 204.05,2011.61 265,2072.57 265,2099.74 293.41,2128.14 293.41,2232.52 v3(288.54,2237.39)
NetIC1_3: IC1.3 IC1.4 JP_ADC.1 | length 348.9
  Top Layer w45: IC1.4 IC1.3
  Top Layer w55: JP_ADC.1 204.05,2161.61 218.65,2147.01 218.65,2133.88 270.63,2081.9 455.07,2081.9
NetIC1_7: IC1.7 R3.1 | length 1951
  Top Layer w25: R3.1 431.5,483.5 431.5,1856.51 581,2006 581,2104 621.99,2145 IC1.7
NetJ1_1: J1.1 Q1.3 R11.2 | length 1873.8
  Top Layer w25: R11.2 895,2264 900,2259 Q1.3 900,1835.01 864,1799 864,584.43 J1.1
NetJ1_2: J1.2 Q1.2 | length 1276.5
  Top Layer w25: J1.2 986,986 986,1867 970.87,1882.14 Q1.2
NetJ2_1: J2.1 J2.2 Q2.2 Q2.3 R12.2 | length 1977
  Top Layer w25: R12.2 1425,2264.72 1429.71,2260 Q2.3 1429.71,2154 1390,2154 1372,2136 1372,986.34 J2.2 J2.1
  Bottom Layer w25: Q2.3 Q2.2
NetJ3_1: J3.1 Q3.3 R13.2 | length 1927.9
  Top Layer w25: J3.1 1880,585.09 1880,1241 2003,1364 2003,1659.43 1959.42,1703 Q3.3 1959.42,2260 1955,2264.43 R13.2
NetJ3_2: J3.2 Q3.2 | length 1288.1
  Top Layer w25: J3.2 2038,1021.33 2038,1885 2030.29,1892.71 Q3.2
NetJ4_1: J4.1 Q4.3 R14.2 | length 1918.1
  Top Layer w25: J4.1 2389,584.43 2389,1272 2511,1394 2511,1685 2489.13,1706.87 Q4.3 2489.13,2260 2485,2264.14 R14.2
NetJ4_2: J4.2 Q4.2 | length 1290.6
  Top Layer w25: J4.2 2560,1035 Q4.2
NetJ5_4: J5.4 Q5.3 | length 369.2
  Bottom Layer w25: Q5.3 1545.12,4136.73 J5.4
NetJ6_4: J6.4 Q6.3 | length 859.6
  Bottom Layer w25: J6.4 2680.42,4003.43 2732,4055 2732,4296 2712.14,4315.87 Q6.3
NetQ10_2: Q10.2 R1.2 | length 406.5
  Top Layer w25: Q10.2 2495.87,5401.14 2492,5405 2492,5567 R1.2
pwm_speed: JP3_PWR.6 R1.1 | length 3112.8
  Top Layer w25: v1(2540,5444) R1.1
  Bottom Layer w25: JP3_PWR.6 104.89,4799.41 80.3,4824.01 80.3,5111.3 152,5183 286.17,5183 310.67,5158.5 2254.5,5158.5 v1(2540,5444)
pwm_speed_5V: JP3_PWR.5 Q10.3 R2.1 | length 2724.6
  Top Layer w25: R2.1 2425,5470 Q10.3
  Bottom Layer w25: JP3_PWR.5 251,4949.41 251,4997 377.5,5123.5 2365.5,5123.5 2425,5183.01 Q10.3
pads on no net: G1.1 G2.1 G3.1 G4.1 J7.0 J8.0 J9.0 R4.3 V1.4

## Polygon pours and split planes (outlines as drawn)
GND on Bottom Layer "GND_L04_P000" (solid, pour order 0): 55,5850 55,50 2780,50 2780,5850
no net on Top Layer "NONET_L01_P001" (solid, pour order 1): 32.77,5820.21 32.77,20.21 2757.77,20.21 2757.77,5820.21
24V on PWR (split plane): 2780,55 55,55 55,60 55,5850 2780,5850
GND on GND (split plane): 2810,20.1 20.1,20.1 20.1,5885.41 2810,5885.41

## Other copper
GND (plane layer: these items are gaps in the copper):
  rectangle: 2810,10 5890,5905
PWR (plane layer: these items are gaps in the copper):
  rectangle: 2780,45 5900,5880
  rectangle: 4955,3645 5850,5905
  rectangle: 0,5850 5895,5905
  rectangle: 5850,0 5905,5905
  rectangle: 0,0 55,5905
  rectangle: 10,0 5904.86,55
  rectangle: 0,60 55,5905
  rectangle: 15,5855 5895,5895
  rectangle: 5850,0 5905,5895

## Silkscreen, mask and mechanical layers (free items; w line width, h text height)
Top Overlay:
  text "无锡市新一代电力电器有限公司" at 455.07,4278.53 h160
  text "电源小信号板" at 2175.04,4041.69 h80
  text "in1" at 550,3905 h60
  text "24V GND  5V 3.3V  IN4 GND spd spd5 24Vin4 in3 in2 in1" at 356.66,3855 h35 r270
  text "in1 in2 in3 in4 ot5 ot6 ot7 ot8 ot9 adc10" at 355,3790 h39.37 r270
  text "adc" at 965,3480 h60
  text "AC1 AC1 AC2 AC2 24V 24R1 24V 24R2 24V 24R3" at 370,1790 h35 r270
Bottom Overlay:
  text "无锡市新一代电力电器有限公司" at 2669.93,4108.53 h160
  text "电源小信号板" at 2589.96,3906.69 h80
Mechanical 1:
  lines w10: 0,0 5905,0 5905,5905 0,5905 0,0

## Text inside footprints (layer, text, board x,y; h text height)
JP1: Top Overlay "9" at 752,3298 h40 r270; Top Overlay "10" at 852,3298 h40 r270; Top Overlay "2" at 860,4170 h40 r270; Top Overlay "1" at 760,4160 h40 r270